# Altium PCB PCB.PcbDoc (part 3 of 3)
Units mm, origin at the board's own origin, x right, y up, seen from the top; angles counter-clockwise.
Board outline 100.74 x 35.37 mm, 4 copper layers (Top Layer, Mid Layer 1, Mid Layer 2, Bottom Layer), stack 0.999 mm thick; 266 components, 227 nets, 1140 pads, 295 vias.
Unrouted connection lines stored in the file: 229.
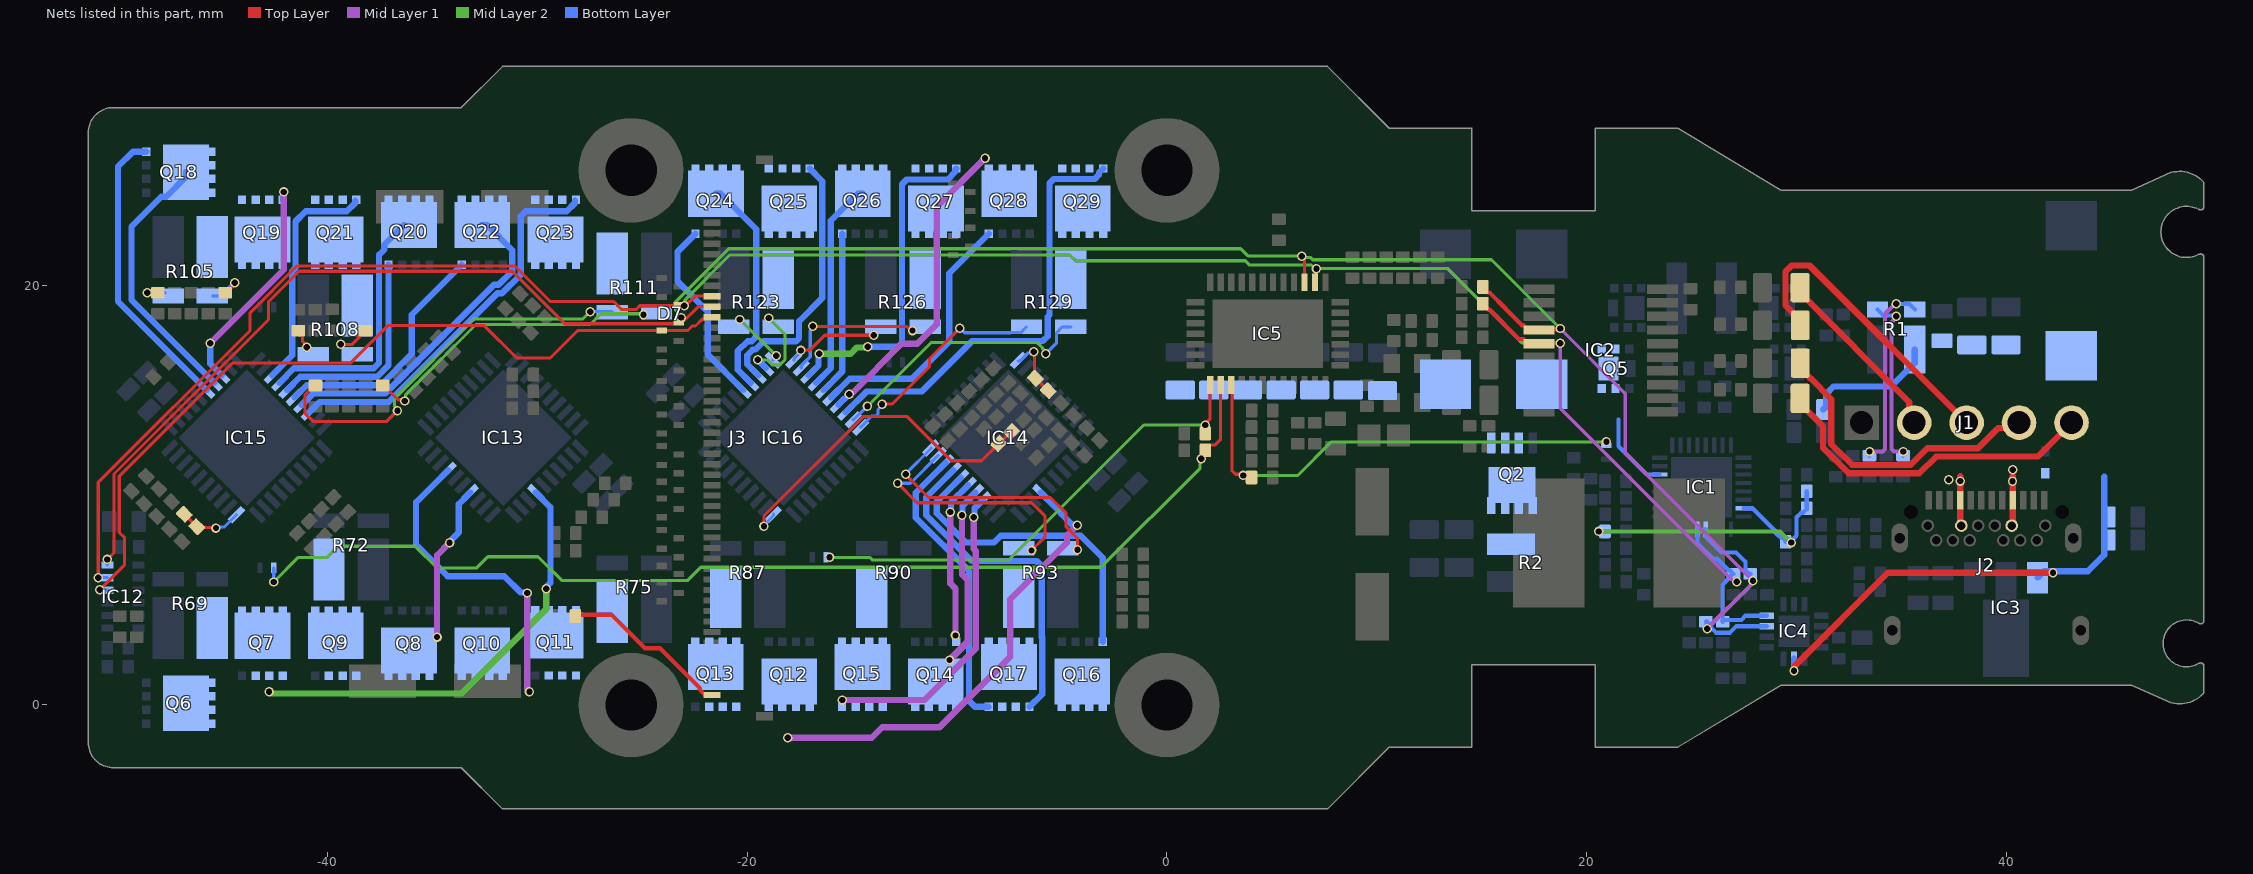
[diagram p5: the nets of this part, all layers, seen from the top]

## Via types
v1: diameter 0.45, hole 0.3, Top Layer to Bottom Layer, tented both sides, 295 vias

## Nets (pads, with @x,y where several pads share a name; then routed paths per layer and width w, separated by ;. In a path a pad name is that pad's centre, name@x,y a point inside that pad or via, vN(x,y) a via of type N, cw(c..) or ccw(c..) an arc to the next point about the centre after c; other vN are vias at no path point) (continued)
NetIC14_13: IC14.13 Q15.4 | length 14.7
  Mid Layer 1 w0.3: v1(-15.465,0.234) -11.558,0.234 -9.101,2.691 -9.101,7.336 -9.197,7.432 v1(-9.197,8.945)
  Bottom Layer w0.3: v1(-9.197,8.945) -9.168,8.974 -9.168,9.363 IC14.13@-8.767,9.764
NetIC14_15: IC14.15 Q14.4 | length 7.6
  Mid Layer 1 w0.3: v1(-10.319,9.188) -10.319,5.788 -10.076,5.545 v1(-10.076,3.311)
  Bottom Layer w0.3: v1(-10.319,9.188) -10.29,9.217 -10.29,9.655 IC14.15@-9.474,10.471
NetIC14_16: IC14.16 Q16.4 | length 15.2
  Bottom Layer w0.3: IC14.16@-9.828,10.825 -10.965,9.688 -10.965,9.127 -9.572,7.734 -8.242,7.734 -7.917,8.059 -5.99,8.059 -4.109,8.059 -3.055,7.005 Q16.4@-3.055,3.013
NetIC14_18: IC14.18 Q17.4 | length 14
  Bottom Layer w0.3: IC14.18@-10.535,11.532 -11.965,10.102 -11.965,8.922 -9.429,6.385 -9.429,0.198 -9.144,-0.087 Q17.4@-8.496,-0.087
NetIC14_19: IC14.19 R93.2 | length 12.1
  Top Layer w0.15: v1(-12.831,10.559) -11.904,9.632 -6.45,9.632 -5.802,8.983 -5.802,8.008 v1(-6.45,7.359)
  Bottom Layer w0.15: v1(-12.831,10.559) -12.215,10.559 IC14.19@-10.889,11.886
NetIC14_20: IC14.20 R93.3 | length 12.1
  Top Layer w0.15: v1(-12.444,10.984) -12.444,10.967 -11.358,9.882 -5.558,9.882 -4.802,9.125 -4.802,8.49 -4.265,7.953 v1(-4.265,7.396)
  Bottom Layer w0.15: v1(-12.444,10.984) -12.444,11.011 -11.242,12.213 IC14.20@-11.242,12.239
NetIC14_31: IC14.31 R80.1 R85.2 | length 3.1
  Top Layer w0.15: v1(-6.347,16.825) -6.302,16.781 -6.302,15.597 R80.1@-6.267,15.561 -6.249,15.561 R85.2@-5.656,14.969
  Bottom Layer w0.15: IC14.31@-7.092,16.386 -6.989,16.386 -6.607,16.768 -6.404,16.768 v1(-6.347,16.825)
NetIC15_6: IC15.6 Q18.4 | length 14
  Bottom Layer w0.3: Q18.4@-48.621,26.354 -49.24,26.354 -49.245,26.354 -49.965,25.634 -49.965,19.232 IC15.6@-45.73,14.997
NetIC15_8: IC15.8 Q19.4 | length 10.8
  Mid Layer 1 w0.3: v1(-45.565,17.234) -42.065,20.734 v1(-42.065,24.434)
  Bottom Layer w0.3: v1(-45.565,17.234) -45.565,16.246 IC15.8@-45.023,15.704 ; Q19.4@-42.106,24.064 -42.086,24.084 -42.086,24.414 v1(-42.065,24.434)
NetIC15_13: IC15.13 Q21.4 | length 11.1
  Bottom Layer w0.3: IC15.13@-42.619,15.704 -41.663,16.66 -41.663,20.654 -41.506,20.81 -41.506,23.028 -41.02,23.514 -39.063,23.514 -38.666,23.91 Q21.4@-38.666,24.014
NetIC15_15: IC15.15 Q20.4 | length 10.1
  Bottom Layer w0.3: IC15.15@-41.912,14.997 -41.274,15.634 -37.617,15.634 -37.076,16.176 Q20.4@-37.076,20.964
NetIC15_16: IC15.16 Q22.4 | length 11.7
  Bottom Layer w0.3: IC15.16@-41.558,14.643 -40.967,15.234 -37.452,15.234 -35.965,16.721 -35.965,18.585 Q22.4@-33.586,20.964
NetIC15_18: IC15.18 Q23.4 | length 18.5
  Bottom Layer w0.3: IC15.18@-40.851,13.936 -40.353,14.434 -37.06,14.434 -31.885,19.609 -31.672,19.609 -30.786,20.495 -30.786,21.433 -30.786,23.278 -30.545,23.519 -28.587,23.519 -28.196,23.91 Q23.4@-28.196,24.014
NetIC15_31: IC15.31 R98.1 R103.2 | length 3.1
  Top Layer w0.15: R98.1@-46.809,9.087 R103.2@-46.206,8.486 ; R103.2@-46.255,8.534 -46.172,8.451 -45.324,8.451 v1(-45.298,8.424)
  Bottom Layer w0.15: v1(-45.298,8.424) -45.241,8.482 -44.891,8.482 IC15.31@-44.316,9.057
NetIC16_6: IC16.6 Q24.4 | length 9.1
  Bottom Layer w0.3: Q24.4@-22.457,22.449 -23.315,21.592 -23.315,20.176 -21.871,18.732 -21.871,16.693 IC16.6@-20.174,14.997
NetIC16_8: IC16.8 Q25.4 | length 12.8
  Bottom Layer w0.3: IC16.8@-19.467,15.704 -19.993,16.23 -19.993,16.659 -19.724,16.928 -19.61,16.928 -19.21,17.328 -17.703,17.328 -17.67,17.328 -17.524,17.474 -17.524,18.276 -16.414,19.385 -16.414,24.949 Q25.4@-17.014,25.549
NetIC16_9: IC16.9 R123.2 | length 4.3
  Mid Layer 2 w0.15: v1(-19.493,16.437) -19.043,16.436 -18.808,16.201 -18.44,16.201 -18.191,16.45 -18.191,17.652 v1(-18.971,18.432)
  Bottom Layer w0.3: v1(-19.493,16.437) IC16.9@-19.114,16.058
NetIC16_10: IC16.10 R123.3 | length 2.7
  Mid Layer 2 w0.15: v1@-20.352,18.36 -18.618,16.626 v1(-18.616,16.626)
  Bottom Layer w0.15: IC16.10@-18.76,16.411 -18.76,16.482 v1(-18.616,16.626)
  other v1: -20.354,18.36
NetIC16_11: IC16.11 R126.3 | length 4.4
  Top Layer w0.15: v1(-17.439,16.884) -17.413,16.911 -16.989,16.911 -16.291,17.609 v1(-13.971,17.609)
  Bottom Layer w0.15: IC16.11@-17.77,16.411 -17.77,16.482 -17.439,16.813 v1(-17.439,16.884)
NetIC16_12: IC16.12 R126.2 | length 7
  Top Layer w0.15: v1(-16.865,18.034) -12.404,18.034 -12.202,17.832 v1(-12.121,17.832)
  Bottom Layer w0.15: IC16.12@-17.417,16.058 -17.417,16.164 -16.992,16.588 -16.992,17.826 -16.865,17.953 v1(-16.865,18.034)
NetIC16_13: IC16.13 Q27.4 | length 15.9
  Mid Layer 2 w0.3: v1(-16.565,16.734) -15.071,16.734 -14.777,17.028 -14.274,17.028 v1(-14.246,17.057)
  Bottom Layer w0.3: IC16.13@-17.063,15.704 -16.594,16.173 -16.594,16.706 v1(-16.565,16.734) ; v1@-14.233,17.057 -12.796,17.057 -12.621,17.233 -12.621,24.81 -12.407,25.023 -10.45,25.023 -10.078,25.395 -10.078,25.499 Q27.4@-10.028,25.549
NetIC16_15: IC16.15 Q26.4 | length 7.8
  Bottom Layer w0.3: IC16.15@-16.356,14.997 -15.471,15.882 Q26.4@-15.471,22.449
NetIC16_16: IC16.16 Q28.4 | length 12.7
  Bottom Layer w0.3: IC16.16@-16.002,14.643 -15.114,15.532 -12.146,15.532 -10.371,17.307 -10.371,20.563 Q28.4@-8.485,22.449
NetIC16_18: IC16.18 Q29.4 | length 21.3
  Bottom Layer w0.3: IC16.18@-15.295,13.936 -14.3,14.932 -11.675,14.932 -9.273,17.334 -5.912,17.334 -5.685,17.562 -5.685,18.494 -5.593,18.586 -5.593,24.851 -5.395,25.049 -3.438,25.049 -3.241,25.245 -3.241,25.349 Q29.4@-3.041,25.549
NetIC16_19: IC16.19 R129.2 | length 13
  Mid Layer 2 w0.15: v1(-14.265,14.234) -11.24,17.259 -6.18,17.259 -5.922,17.001 -5.922,16.964 -5.771,16.813 v1(-5.771,16.732)
  Bottom Layer w0.15: IC16.19@-14.942,13.583 -14.929,13.583 -14.278,14.234 v1(-14.265,14.234) ; v1(-5.771,16.732) -5.255,17.248 -5.255,17.734 -4.98,18.009 R129.2@-4.582,18.009
NetIC16_20: IC16.20 R129.3 | length 10.4
  Top Layer w0.15: v1(-13.569,14.33) -13.098,14.33 -11.31,16.117 -11.31,16.499 v1(-9.871,17.939)
  Bottom Layer w0.15: IC16.20@-14.588,13.229 -14.049,13.768 -13.855,13.768 -13.767,13.856 -13.767,14.05 -13.569,14.249 v1(-13.569,14.33) ; v1(-9.871,17.939) -9.84,17.939 -9.633,17.732 -7.449,17.732 -7.446,17.734 -6.963,17.734 R129.3@-6.688,18.009
NetIC16_31: IC16.31 R116.1 R121.2 | length 16.4
  Top Layer w0.15: v1(-19.196,8.515) -19.196,9.007 -14.471,13.732 -12.371,13.732 -10.271,11.632 -8.833,11.632 R116.1@-8.015,12.45 ; R116.1@-7.998,12.45 -7.432,13.017 R121.2@-7.415,13.017
  Bottom Layer w0.15: v1(-19.196,8.515) -19.196,8.568 -18.738,9.026 IC16.31@-18.738,9.083
NetJ1_2: J1.2 R30.2 | length 8.7
  Top Layer w0.3: R30.2@30.156,19.88 30.156,19.63 35.359,14.427 35.359,13.674 J1.2@35.584,13.449
NetJ1_3: J1.3 R29.2 | length 14.7
  Top Layer w0.3: R29.2@30.16,18.084 30.16,18.334 29.456,19.038 29.456,20.631 29.758,20.932 30.601,20.932 J1.3@38.084,13.449
NetJ1_4: J1.4 R25.2 | length 14.7
  Top Layer w0.3: R25.2@30.16,16.284 30.16,16.034 30.642,15.552 30.66,15.552 31.645,14.567 31.645,12.417 32.629,11.432 35.416,11.432 36.216,12.232 38.626,12.232 39.584,13.191 40.326,13.191 J1.4@40.584,13.449
NetJ1_5: J1.5 R24.2 | length 16.1
  Top Layer w0.3: R24.2@30.159,14.602 30.159,14.352 31.245,13.266 31.245,12.251 32.464,11.032 35.834,11.032 36.634,11.832 41.467,11.832 J1.5@43.084,13.449
NetJ3_50: J3.50 R58.1 | length 8.2
  Top Layer w0.2: R58.1@-28.173,4.237 -28.112,4.298 -26.465,4.298 -24.866,2.699 -24.143,2.699 -22.266,0.822 -22.266,0.739 -22.049,0.522 -21.716,0.522 J3.50@-21.666,0.472
NetQ2_5: Q2.5 Q2.6 Q2.7 Q2.8 Q2.9 R2.3
NetQ7_5: Q7.5 Q7.6 Q7.7 Q7.8 Q7.9 R69.4
NetQ9_5: Q9.5 Q9.6 Q9.7 Q9.8 Q9.9 R72.1
NetQ11_5: Q11.5 Q11.6 Q11.7 Q11.8 Q11.9 R75.1
NetQ13_5: Q13.5 Q13.6 Q13.7 Q13.8 Q13.9 R87.1
NetQ15_5: Q15.5 Q15.6 Q15.7 Q15.8 Q15.9 R90.1
NetQ17_5: Q17.5 Q17.6 Q17.7 Q17.8 Q17.9 R93.1
NetQ19_5: Q19.5 Q19.6 Q19.7 Q19.8 Q19.9 R105.1
NetQ21_5: Q21.5 Q21.6 Q21.7 Q21.8 Q21.9 R108.1
NetQ23_5: Q23.5 Q23.6 Q23.7 Q23.8 Q23.9 R111.4
NetQ25_5: Q25.5 Q25.6 Q25.7 Q25.8 Q25.9 R123.1
NetQ27_5: Q27.5 Q27.6 Q27.7 Q27.8 Q27.9 R126.1
NetQ29_5: Q29.5 Q29.6 Q29.7 Q29.8 Q29.9 R129.1
NetR1_1: R1.1 R3.2 | length 9.2
  Mid Layer 1 w0.2: v1(33.464,12.071) 34.088,12.071 34.205,12.188 34.205,18.632 34.677,19.104 v1(34.729,19.104)
  Bottom Layer w0.2: R3.2@33.459,11.874 33.459,12.066 v1(33.464,12.071) ; v1(34.729,19.104) 35.355,19.104 R1.1@35.622,18.837
NetR1_4: R1.4 R4.2 | length 8.3
  Mid Layer 1 w0.2: v1(34.729,18.52) 34.729,18.452 34.505,18.228 34.505,12.188 34.622,12.071 v1(35.064,12.071)
  Bottom Layer w0.2: R1.4@33.846,18.837 34.127,18.556 34.56,18.556 34.614,18.502 34.712,18.502 v1(34.729,18.52) ; R4.2@35.059,11.874 35.059,12.066 v1(35.064,12.071)
NetR104_2: R104.2 R105.2 | length 2
  Top Layer w0.15: R104.2@-44.86,19.637 -44.81,19.637 -44.403,20.044 v1(-44.403,20.106)
  Bottom Layer w0.15: R105.2@-45.468,19.479 -45.071,19.479 -44.444,20.106 v1(-44.403,20.106)
NetR105_3: R105.3 R106.2 | length 1.3
  Top Layer w0.15: v1(-48.565,19.634) -48.564,19.636 -48.061,19.636 R106.2@-48.06,19.637
  Bottom Layer w0.15: v1(-48.565,19.634) R105.3@-47.729,19.634
NetR107_2: R107.2 R108.2 | length 1.5
  Top Layer w0.15: v1(-39.351,17.174) -39.338,17.161 -38.826,17.161 -38.47,17.516 -38.47,17.581 -38.22,17.831 R107.2@-38.17,17.831
NetR108_3: R108.3 R109.2 | length 1
  Top Layer w0.15: R109.2@-41.37,17.831 -41.175,17.636 -41.175,17.326 -40.965,17.115 v1(-40.965,17.034)
NetR110_2: R110.2 R111.3 | length 19.1
  Top Layer w0.15: R110.2@-40.558,15.215 -40.608,15.215 -41.058,14.765 -41.058,13.899 -40.668,13.509 -37.16,13.509 v1(-36.652,14.017)
  Mid Layer 2 w0.15: v1(-36.652,14.017) -36.652,14.098 -36.8,14.245 -36.8,14.589 -33.007,18.381 -27.818,18.381 v1(-27.465,18.734)
  Bottom Layer w0.15: v1(-27.465,18.734) -26.443,18.734 R111.3@-26.418,18.709
NetR111_2: R111.2 R112.2 | length 14.6
  Top Layer w0.15: R112.2@-37.358,15.215 -37.308,15.215 -36.628,14.536 -36.366,14.536 v1(-36.309,14.478)
  Mid Layer 2 w0.15: v1(-36.309,14.478) -36.265,14.523 -36.265,14.77 -32.912,18.123 -27.476,18.123 -26.964,18.634 -24.977,18.634 v1(-24.933,18.59)
OUTAA: IC13.7 Q6.5 Q6.6 Q6.7 Q6.8 Q6.9 Q7.1 Q7.2 Q7.3 | length 20.8
  Mid Layer 2 w0.3: v1(-42.765,0.634) -42.725,0.634 -42.635,0.545 -33.59,0.545 -29.565,4.57 v1(-29.565,5.534)
  Bottom Layer w0.3: IC13.7@-30.065,10.118 -29.365,9.418 -29.365,5.827 -29.49,5.702 -29.49,5.65 -29.565,5.575 v1(-29.565,5.534)
OUTAB: IC13.14 Q8.5 Q8.6 Q8.7 Q8.8 Q8.9 Q9.1 Q9.2 Q9.3 | length 7.5
  Mid Layer 1 w0.3: v1(-34.765,3.234) -34.765,7.137 v1(-34.171,7.732)
  Bottom Layer w0.3: v1(-34.171,7.732) -34.171,7.772 -33.726,8.217 -33.726,9.568 IC13.14@-33.177,10.118
OUTAC: IC13.17 Q10.5 Q10.6 Q10.7 Q10.8 Q10.9 Q11.1 Q11.2 Q11.3 | length 15.2
  Mid Layer 1 w0.3: v1(-30.465,5.334) -30.465,0.775 -30.365,0.675 v1(-30.365,0.634)
  Bottom Layer w0.3: IC13.17@-34.237,11.179 -35.765,9.651 -35.765,7.634 -34.265,6.134 -31.565,6.134 -30.792,5.362 -30.492,5.362 v1(-30.465,5.334)
OUTBA: IC14.7 Q12.5 Q12.6 Q12.7 Q12.8 Q12.9 Q13.1 Q13.2 Q13.3 | length 22.2
  Mid Layer 1 w0.3: v1(-18.065,-1.566) -14.065,-1.566 -13.565,-1.066 -10.834,-1.066 -7.465,2.303 -7.465,5.034 -4.765,7.734 -4.765,8.065 v1(-4.271,8.559)
  Bottom Layer w0.3: IC14.7@-6.01,10.118 -5.037,9.146 -5.037,9.099 -4.526,8.588 -4.299,8.588 v1(-4.271,8.559)
OUTBB: IC14.14 Q14.5 Q14.6 Q14.7 Q14.8 Q14.9 Q15.1 Q15.2 Q15.3 | length 8.7
  Mid Layer 1 w0.3: v1(-10.357,2.143) -9.501,2.998 -9.501,5.955 -9.765,6.219 v1(-9.765,9.034)
  Bottom Layer w0.3: v1(-9.765,9.034) -9.736,9.063 -9.736,9.502 IC14.14@-9.121,10.118
OUTBC: IC14.17 Q16.5 Q16.6 Q16.7 Q16.8 Q16.9 Q17.1 Q17.2 Q17.3 | length 16.1
  Bottom Layer w0.3: IC14.17@-10.181,11.179 -11.465,9.895 -11.465,9.034 -9.29,6.859 -6.215,6.859 -5.958,6.602 -5.958,3.215 -5.946,3.204 -5.946,0.513 Q17.1@-6.546,-0.087
OUTCA: IC15.7 Q18.5 Q18.6 Q18.7 Q18.8 Q18.9 Q19.1 Q19.2 Q19.3 | length 12.9
  Bottom Layer w0.3: Q18.9@-46.721,25.379 -46.721,25.154 -47.671,24.204 -47.896,24.204 -49.321,22.779 -49.321,19.295 IC15.7@-45.377,15.35
OUTCB: IC15.14 Q20.5 Q20.6 Q20.7 Q20.8 Q20.9 Q21.1 Q21.2 Q21.3 | length 12.2
  Bottom Layer w0.3: IC15.14@-42.265,15.35 -41.582,16.034 -37.783,16.034 -37.526,16.291 -37.526,21.439 -37.276,21.689 -37.276,21.914 Q20.9@-36.326,22.864
OUTCC: IC15.17 Q22.5 Q22.6 Q22.7 Q22.8 Q22.9 Q23.1 Q23.2 Q23.3 | length 15.6
  Bottom Layer w0.3: IC15.17@-41.205,14.29 -40.66,14.834 -37.226,14.834 -32.051,20.009 -31.837,20.009 -31.186,20.66 -31.186,21.268 -31.186,21.664 -32.386,22.864 Q22.9@-32.611,22.864
OUTDA: IC16.7 Q24.5 Q24.6 Q24.7 Q24.8 Q24.9 Q25.1 Q25.2 Q25.3 | length 10.7
  Bottom Layer w0.3: Q24.9@-21.482,24.349 -21.257,24.349 -19.565,22.657 -19.565,17.539 -19.63,17.474 -19.776,17.328 -19.971,17.328 -20.437,16.863 -20.437,15.967 IC16.7@-19.821,15.35
OUTDB: IC16.14 Q26.5 Q26.6 Q26.7 Q26.8 Q26.9 Q27.1 Q27.2 Q27.3 | length 10
  Bottom Layer w0.3: IC16.14@-16.71,15.35 -16.014,16.046 -16.014,23.056 -14.721,24.349 Q26.9@-14.496,24.349
OUTDC: IC16.17 Q28.5 Q28.6 Q28.7 Q28.8 Q28.9 Q29.1 Q29.2 Q29.3 | length 15.1
  Mid Layer 1 w0.3: v1(-15.135,14.804) -15.094,14.804 -15.019,14.879 -14.974,14.879 -12.649,17.204 -11.899,17.204 -10.971,18.132 -10.971,23.729 v1(-8.665,26.034)
  Bottom Layer w0.3: IC16.17@-15.649,14.29 v1(-15.135,14.804)
SCL: D7.8 IC1.13 IC2.5 IC4.7 IC5.2 IC12.5 J3.12 R21.1 R27.1 R37.1 | length 112.5
  Top Layer w0.15: v1(-50.9,6.063) -50.9,10.605 -43.671,17.834 -43.671,18.683 -41.444,20.909 -40.793,20.909 -31.073,20.909 -29.378,19.215 -26.354,19.215 -25.971,18.832 -25.292,18.832 -25.109,19.015 -23.384,19.015 -23.365,19.034 -23.016,19.034 v1(-22.991,19.009) ; v1@-22.992,19.01 -22.936,19.01 -22.474,19.472 J3.12@-21.666,19.472 ; IC5.2@7.054,20.132 7.087,20.165 v1@7.087,20.748 ; IC2.5@17.744,17.232 v1(18.729,17.232)
  Top Layer w0.2: R27.1@15.041,19.116 15.041,19.066 15.276,18.831 15.371,18.831 16.768,17.434 16.984,17.434 17.209,17.209 IC2.5@17.722,17.209
  Mid Layer 1 w0.15: v1(18.729,17.232) 18.729,14.131 26.871,5.989 26.929,5.989 27.052,5.867 v1(27.133,5.867)
  Mid Layer 2 w0.15: v1(-22.991,19.009) -22.947,19.054 -22.947,19.301 -20.816,21.432 -4.624,21.432 -4.349,21.157 3.728,21.157 3.935,20.951 6.597,20.951 6.601,20.955 6.882,20.955 7.057,20.78 13.381,20.78 16.929,17.232 v1(18.729,17.232)
  Bottom Layer w0.15: v1(-50.9,6.063) IC12.5@-50.459,6.064
  Bottom Layer w0.2: IC1.13@25.264,8.371 25.264,7.696 25.995,6.965 26.197,6.965 26.745,6.417 26.805,6.417 R21.1@26.98,6.242 26.93,6.242 26.755,6.067 26.755,6.017 26.455,5.717 26.455,3.983 R37.1@26.469,3.968 26.554,4.053 27.359,4.053 27.559,4.253 IC4.7@28.564,4.253
  other v1: 7.12,20.78
SDA: D7.7 IC1.12 IC2.4 IC4.6 IC5.3 IC12.6 J3.13 R20.1 R28.1 R36.1 | length 116.9
  Top Layer w0.15: v1(-50.475,6.932) -50.471,6.932 -50.151,7.252 -50.151,11.001 -42.796,18.356 -42.796,19.202 -41.339,20.659 -31.176,20.659 -28.677,18.16 -23.339,18.16 D7.7@-23.265,18.234 ; D7.7@-23.412,18.26 -23.219,18.453 v1(-23.138,18.453) v1@-22.993,18.309 ; D7.7@-23.19,18.309 v1@-22.993,18.309 ; J3.13@-21.666,18.972 -22.33,18.972 v1@-22.993,18.309 ; v1(6.421,21.376) 6.421,21.295 6.554,21.161 IC5.3@6.554,20.132
  Top Layer w0.2: R28.1@15.043,19.911 15.043,19.861 15.263,19.641 15.366,19.641 16.134,18.873 16.134,18.852 16.901,18.084 16.984,18.084 17.209,17.859 IC2.4@17.722,17.859 17.758,17.896 18.693,17.896 v1(18.729,17.932)
  Mid Layer 1 w0.15: v1(18.729,17.932) 21.829,14.832 21.829,11.988 v1(27.907,5.91)
  Mid Layer 1 w0.2: v1(25.729,3.632) 27.786,5.689 27.786,5.721 27.907,5.842 v1(27.907,5.91)
  Mid Layer 2 w0.15: v1(-23.138,18.453) -23.138,18.532 -23.416,18.811 -23.416,19.185 -20.87,21.732 -7.461,21.732 -7.448,21.745 -7.096,21.745 -7.083,21.732 3.507,21.732 3.852,21.387 4.652,21.387 6.409,21.387 6.478,21.318 6.833,21.318 6.946,21.205 15.456,21.205 v1(18.729,17.932)
  Bottom Layer w0.15: v1(-50.475,6.932) -50.475,6.68 IC12.6@-50.459,6.664
  Bottom Layer w0.2: IC1.12@25.664,8.371 25.664,8.013 26.412,7.265 27.107,7.265 27.555,6.817 27.555,6.417 27.73,6.242 R20.1@27.78,6.242 ; v1(25.729,3.632) 25.699,3.662 25.699,3.938 R36.1@25.669,3.968 25.719,3.968 25.894,3.793 25.894,3.693 25.944,3.643 26.144,3.443 26.81,3.443 27.12,3.753 IC4.6@28.564,3.753
Temp1: IC5.22 IC11.1 R54.2 | length 22.9
  Top Layer w0.15: IC5.22@3.054,15.232 3.092,15.194 3.092,11.169 3.272,10.989 3.572,10.989 v1(3.629,10.932)
  Mid Layer 2 w0.15: v1(3.629,10.932) 6.229,10.932 7.829,12.532 v1(20.929,12.532)
  Bottom Layer w0.15: IC11.1@20.929,12.357 v1(20.929,12.532)
Temp2: IC5.21 IC9.1 R52.2 | length 52.8
  Top Layer w0.15: R52.2@1.832,12.127 1.832,12.177 2.032,12.377 2.274,12.377 2.554,12.657 IC5.21@2.554,15.232
  Mid Layer 2 w0.15: v1(-42.546,5.857) -41.371,7.032 -39.994,7.032 -39.466,7.559 -35.798,7.559 -34.771,6.532 -32.871,6.532 -32.343,7.059 -29.955,7.059 -28.827,5.932 -22.822,5.932 -22.197,6.557 -3.146,6.557 1.579,11.282 1.579,11.682 v1(1.629,11.732)
  Bottom Layer w0.15: v1(-42.546,5.857) IC9.1@-42.546,6.532
Temp3: IC5.20 IC10.1 R53.2 | length 22.8
  Top Layer w0.15: v1(1.829,13.332) 1.829,13.413 2.054,13.638 IC5.20@2.054,15.232
  Mid Layer 2 w0.15: v1(-16.071,7.032) -14.164,7.032 -14.041,6.909 -7.524,6.909 -1.101,13.332 v1(1.829,13.332)
  Bottom Layer w0.15: IC10.1@-16.246,7.032 v1(-16.071,7.032)
TOF_INT: D7.4 IC12.4 J3.14 | length 39
  Top Layer w0.15: v1(-50.837,5.492) -49.646,6.684 -49.646,7.957 -49.901,8.212 -49.901,10.897 -44.514,16.284 -38.902,16.284 -37.119,18.068 -32.513,18.068 -30.974,16.528 -29.375,16.528 -28.069,17.834 D7.4@-24.065,17.834 -22.825,17.834 -22.612,18.047 -22.455,18.047 -22.105,18.397 -21.741,18.397 J3.14@-21.666,18.472
  Bottom Layer w0.15: v1(-50.837,5.492) -50.823,5.478 -50.473,5.478 IC12.4@-50.459,5.464
VBUS: C1.2 C2.1 C3.2 C4.2 C47.2 C48.2 D5.1 IC3.3 IC4.2 J2.A4 J2.A9 J2.B4 J2.B9 R1.2 R7.2 | length 33.2
  Top Layer w0.3: v1(29.864,1.636) 29.893,1.664 29.893,1.857 34.336,6.3 v1(42.2,6.3) ; J2.B9@37.784,8.592 J2.A4@37.784,9.752 37.784,10.893 ; J2.B4@40.284,8.592 J2.A9@40.284,9.752 40.284,10.893
  Bottom Layer w0.3: v1(29.864,1.636) IC4.2@29.864,2.203 ; R7.2@31.264,14.071 31.387,14.193 31.387,14.793 31.764,15.171 34.501,15.171 35.622,16.292 R1.2@35.622,16.93 ; IC3.3@41.464,6.071 41.764,6.371 43.864,6.371 44.641,7.148 44.641,10.867
  other v1: 37.781,10.666 40.272,10.655 37.229,10.732 40.28,11.205
VDDA: C30.2 IC1.7 R8.2 R12.2 R14.2 | length 15.2
  Mid Layer 2 w0.2: v1(20.566,8.266) 29.202,8.266 v1(29.731,7.737)
  Bottom Layer w0.2: v1(20.566,8.266) R14.2@20.861,8.266 ; IC1.7@27.464,9.371 27.891,9.371 28.987,8.275 28.987,8.19 29.136,8.041 29.17,8.041 29.22,7.991 29.287,7.991 29.462,7.816 C30.2@29.462,7.766 ; v1(29.731,7.737) 29.731,7.804 29.987,8.061 29.987,8.941 30.197,9.151 30.293,9.151 30.468,9.326 R12.2@30.468,9.376 R8.2@30.468,10.176
VSYS: C5.1 C6.1 C7.2 C8.2 C9.2 C10.2 C11.2 C12.2 C13.2 IC1.22 Q2.1 Q2.2 Q2.3 Q5.1 Q5.2 Q5.5 Q5.6 Q5.7 | length 3.8
  Bottom Layer w0.2: 21.5,13.6 21.5,12.32 22.849,10.971 IC1.22@23.464,10.971
pads on no net: D14.1 IC1.9 IC1.10 IC1.15 IC2.1 IC2.2 IC2.11 IC5.5 J2.A2 J2.A3 J2.A8 J2.A10 J2.A11 J2.B2 J2.B3 J2.B8 J2.B10 J2.B11 J2.MH5 J2.MH6 J3.43 J3.44 J3.45 J3.46 J3.47 J3.51 J3.52 M1.1 M2.1 M3.1 M4.1 Y1.1

## Polygon pours and split planes (outlines as drawn)
NetC16_2 on Bottom Layer "L04_BMS_POW_VBUS" (solid, pour order 95): 29.3,14.8 30.4,14.8 30.5,14.9 30.5,15.4 30.879,15.779 34.379,15.779 34.5,15.9 34.5,18.026 34.425,18.101 31.101,18.101 30.3,17.3 29.3,17.3 29.2,17.2 29.2,14.9
VBUS on Bottom Layer "L04_BMS_POW_USB_VBUS" (solid, pour order 111): 37.464,8.433 37.689,8.208 38.001,8.208 38.164,8.371 38.164,8.871 38.345,9.052 39.801,9.052 39.892,8.961 39.892,8.41 40.095,8.208 40.385,8.208 40.641,8.464 40.641,8.859 41.634,9.852 44.02,9.852 46.434,12.266 46.434,15.652 44.134,17.952 39.384,17.952 36.184,17.952 36.184,18.102 36.009,18.277 34.909,18.277 34.784,18.152 34.784,15.577 34.909,15.452 43.934,15.452 45.034,14.352 45.034,12.952 43.592,11.51 37.693,11.51 37.464,11.282
VSYS on Bottom Layer "L04_BMS_POW_SYS" (solid, pour order 112): 16.875,11.882 17.069,12.076 17.069,12.887 17.539,13.357 21.561,13.357 22.27,14.066 22.27,16.571 22.034,16.807 12.564,16.807 11.664,15.907 0.389,15.907 -0.211,15.307 -0.211,13.057 0.964,11.882 16.064,11.882
NetC18_2 on Bottom Layer "L04_BMS_POW_COIL2" (solid, pour order 109): 25.444,21.215 25.625,21.396 27.863,21.396 29.244,20.015 29.244,17.315 29.164,17.235 29.164,15.821 28.008,14.665 28.008,12.609 27.414,12.015 26.768,12.015 26.768,12.747 27.118,12.747 27.118,15.75 25.444,17.423
BAT+_F on Bottom Layer "L04_BAT+_F" (solid, shelved, pour order 193): -50.189,-2.987 -33.63,-2.987 -31.668,-4.949 -31.664,-4.951 7.616,-4.951 7.621,-4.949 10.565,-2.005 14.49,-2.005 14.497,-1.998 14.497,1.923 20.376,1.923 20.376,-1.998 20.382,-2.005 24.31,-2.005 24.314,-2.004 29.222,0.941 45.913,0.941 47.805,0.1 47.81,0.1 ccw(c48.198,1.608) 49.346,0.557 49.351,0.571 49.351,1.918 49.35,1.921 ccw(c49.206,1.833) 49.127,1.981 49.121,1.981 cw(c48.539,2.933) 49.12,3.885 49.126,3.885 ccw(c49.208,4.032) 49.352,3.945 49.351,3.951 49.351,5.295 49.351,5.303 49.351,21.396 49.35,21.4 ccw(c49.207,21.313) 49.125,21.459 49.119,21.459 cw(c48.539,22.531) 49.118,23.602 49.123,23.601 ccw(c49.206,23.748) 49.349,23.659 49.351,23.663 49.351,24.902 49.347,24.908 ccw(c48.198,23.857) 47.809,25.364 47.806,25.364 45.913,24.523 29.222,24.523 24.314,27.467 24.31,27.469 20.382,27.469 20.376,27.462 20.376,23.541 14.497,23.541 14.497,27.462 14.49,27.469 10.565,27.469 7.621,30.413 7.616,30.415 -31.664,30.415 -31.668,30.413 -33.63,28.451 -50.191,28.451 -50.213,28.45 ccw(c-50.213,27.27) -51.393,27.27 -51.393,27.252 -51.391,-1.783 ccw(c-50.212,-1.806)
OUTCB on Bottom Layer "L04_MOSCB_OUT" (solid, pour order 181): -38.265,25.834 -39.184,25.834 -40.763,24.256 -40.763,23.598 -40.699,23.534 -34.777,23.534 -34.776,23.534 -34.775,23.535 -34.775,24.423 -35.686,25.334 -35.865,25.334
OUTDC on Bottom Layer "L04_MOSDC_OUT" (solid, pour order 192): -3.83,26.974 -3.365,26.508 -3.365,25.228 -3.482,25.112 -8.342,25.112 -8.833,25.22 -8.834,25.466 -7.611,26.689 -7.098,27.201
OUTDA on Bottom Layer "L04_MOSDA_OUT" (solid, pour order 187): -15.865,27.129 -17.365,25.629 -17.365,25.249 -17.592,25.022 -19.265,25.029 -22.573,25.042 -22.806,25.275 -22.806,26.888 -21.365,28.329 -17.965,28.329
OUTDB on Bottom Layer "L04_MOSDB_OUT" (solid, pour order 191): -10.365,27.378 -10.365,25.434 -10.771,25.029 -15.76,25.029 -15.765,25.034 -15.765,25.329 -13.365,27.729 -11.265,27.729
OUTBC on Bottom Layer "L04_MOSBC_OUT" (solid, pour order 185): -3.83,-1.511 -2.705,-0.386 -2.705,0.235 -4.766,0.235 -4.882,0.351 -7.982,0.351 -7.982,0.344 -8.197,0.129 -8.197,-0.639 -7.611,-1.226 -7.098,-1.738
OUTBB on Bottom Layer "L04_MOSBB_OUT" (solid, pour order 184): -9.33,-1.511 -9.33,-0.351 -10.122,0.441 -10.129,0.434 -14.894,0.434 -15.128,0.2 -15.128,-0.503 -13.365,-2.266 -11.265,-2.266
OUTBA on Bottom Layer "L04_MOSBA_OUT" (solid, pour order 183): -15.865,-1.666 -16.677,-0.854 -16.677,0.051 -18.882,0.051 -19.265,0.434 -21.919,0.424 -22.117,0.226 -22.117,-2.114 -21.365,-2.866 -17.965,-2.866
OUTCC on Bottom Layer "L04_MOSCC_OUT" (solid, pour order 182): -27.818,23.534 -27.465,23.887 -27.465,25.734 -27.565,25.834 -32.765,25.834 -32.765,25.543 -33.934,24.374 -33.934,23.888 -31.919,23.888 -31.465,23.434 -31.365,23.534 -27.865,23.534
OUTCA on Bottom Layer "L04_MOSCA_OUT" (solid, pour order 180): -45.621,26.704 -45.485,26.84 -41.89,26.84 -41.89,25.066 -41.667,24.843 -41.674,24.837 -41.674,23.796 -41.743,23.727 -41.85,23.727 -45.304,23.727 -46.165,24.588 -46.165,25.434
OUTAC on Bottom Layer "L04_MOSAC_OUT" (solid, pour order 179): -27.818,1.934 -27.465,1.581 -27.465,-0.266 -27.565,-0.366 -32.765,-0.366 -32.765,-0.074 -33.934,1.095 -33.934,1.581 -31.919,1.581 -31.465,2.034 -31.365,1.934 -27.865,1.934
OUTAB on Bottom Layer "L04_MOSAB_OUT" (solid, pour order 178): -38.265,-0.366 -38.75,-0.366 -40.216,1.1 -40.216,1.783 -40.065,1.934 -34.777,1.934 -34.776,1.935 -34.775,1.933 -34.775,1.045 -35.686,0.134 -35.865,0.134
OUTAA on Bottom Layer "L04_MOSAA_OUT" (solid, pour order 177): -45.621,-1.236 -45.485,-1.372 -41.89,-1.372 -41.89,0.402 -41.667,0.625 -41.674,0.632 -41.674,1.672 -41.797,1.795 -41.85,1.741 -45.304,1.741 -46.165,0.88 -46.165,0.034
NetQ25_5 on Bottom Layer "L04_MOSDA_RES" (solid, pour order 176): -18.809,19.628 -19.109,19.928 -19.109,22.058 -19.179,22.128 -19.314,22.263 -19.314,23.328 -16.668,23.328 -16.668,22.368 -17.909,21.128 -17.909,19.828 -18.109,19.628
NetQ27_5 on Bottom Layer "L04_MOSDB_RES" (solid, pour order 175): -11.823,19.628 -12.123,19.928 -12.123,22.058 -12.192,22.128 -12.327,22.263 -12.327,23.328 -9.682,23.328 -9.682,22.368 -10.923,21.128 -10.923,19.828 -11.123,19.628
NetQ29_5 on Bottom Layer "L04_MOSDC_RES" (solid, pour order 174): -4.836,19.628 -5.136,19.928 -5.136,22.058 -5.206,22.128 -5.341,22.263 -5.341,23.328 -2.696,23.328 -2.696,22.368 -3.936,21.128 -3.936,19.828 -4.136,19.628
NetQ17_5 on Bottom Layer "L04_MOSBC_RES" (solid, pour order 173): -6.701,5.834 -6.401,5.534 -6.401,3.334 -6.332,3.334 -6.197,3.199 -6.197,2.134 -8.842,2.134 -8.842,3.094 -7.601,4.334 -7.601,5.634 -7.401,5.834
NetQ15_5 on Bottom Layer "L04_MOSBB_RES" (solid, pour order 172): -13.683,5.834 -13.383,5.534 -13.383,3.334 -13.314,3.334 -13.179,3.199 -13.179,2.134 -15.824,2.134 -15.824,3.094 -14.583,4.334 -14.583,5.634 -14.383,5.834
NetQ13_5 on Bottom Layer "L04_MOSBA_RES" (solid, pour order 170): -20.665,5.834 -20.365,5.534 -20.365,3.334 -20.296,3.334 -20.161,3.199 -20.161,2.134 -22.806,2.134 -22.806,3.094 -21.565,4.334 -21.565,5.634 -21.365,5.834
NetQ11_5 on Bottom Layer "L04_MOSAC_RES" (solid, pour order 169): -25.667,5.898 -25.894,6.125 -27.474,6.125 -28.665,4.934 -30.266,4.934 -30.465,4.735 -30.465,2.234 -30.335,2.104 -26.325,2.104 -25.667,2.763
NetQ9_5 on Bottom Layer "L04_MOSAB_RES" (solid, pour order 165): -39.06,8.045 -40.605,8.045 -40.905,7.745 -40.905,4.445 -40.005,3.545 -38.365,3.545 -38.365,4.605 -38.805,5.045 -38.805,7.79
NetQ7_5 on Bottom Layer "L04_MOSAA_RES" (solid, pour order 166): -46.465,5.208 -46.26,5.413 -44.906,5.413 -44.302,4.809 -41.887,4.809 -41.567,4.49 -41.567,2.527 -41.887,2.207 -44.016,2.192 -46.144,2.207 -46.465,2.529
NetQ23_5 on Bottom Layer "L04_MOSCC_RES" (solid, pour order 164): -25.667,19.571 -25.894,19.344 -27.474,19.344 -28.665,20.534 -30.266,20.534 -30.465,20.733 -30.465,23.234 -30.335,23.364 -26.326,23.364 -25.667,22.706
NetQ21_5 on Bottom Layer "L04_MOSCB_RES" (solid, pour order 163): -39.41,17.434 -37.865,17.434 -37.565,17.734 -37.565,21.034 -38.465,21.934 -38.465,22.934 -40.265,22.934 -40.365,22.834 -40.365,21.134 -39.665,20.434 -39.665,17.69
NetQ19_5 on Bottom Layer "L04_MOSCA_RES" (solid, pour order 161): -46.465,20.255 -46.26,20.05 -44.906,20.05 -44.302,20.654 -41.886,20.654 -41.567,20.973 -41.567,22.936 -41.887,23.256 -44.016,23.271 -46.144,23.256 -46.465,22.934
OUTAA on Bottom Layer "OUTAA" (solid, pour order 103): -44.33,0.489 -40.83,0.489 -40.83,-3.011 -44.33,-3.011
OUTAB on Bottom Layer "OUTBA" (solid, pour order 101): -38.83,0.489 -35.33,0.489 -35.33,-3.011 -38.83,-3.011
OUTAC on Bottom Layer "OUTCA" (solid, pour order 107): -33.33,0.489 -29.83,0.489 -29.83,-5.261 -33.33,-5.261
OUTBA on Bottom Layer "OUTBA_L04_P098" (solid, pour order 98): -18.33,-1.511 -14.83,-1.511 -14.83,-5.011 -18.33,-5.011
OUTBB on Bottom Layer "OUTBB_L04_P099" (solid, pour order 99): -12.83,-1.511 -9.33,-1.511 -9.33,-5.011 -12.83,-5.011
OUTBC on Bottom Layer "NONET_L04_P030" (solid, pour order 100): -7.33,-1.511 -3.83,-1.511 -3.83,-5.011 -7.33,-5.011
OUTCB on Bottom Layer "OUTCB_L04_P102" (solid, pour order 102): -38.83,24.835 -35.33,24.835 -35.33,28.335 -38.83,28.335
OUTCA on Bottom Layer "OUTCA_L04_P104" (solid, pour order 104): -44.33,24.835 -40.83,24.835 -40.83,28.335 -44.33,28.335
OUTCC on Bottom Layer "OUTCC_L04_P108" (solid, pour order 108): -33.33,24.835 -29.83,24.835 -29.83,30.585 -33.33,30.585
OUTDB on Bottom Layer "NONET_L04_P037" (solid, pour order 130): -12.83,26.835 -9.33,26.835 -9.33,30.335 -12.83,30.335
OUTDA on Bottom Layer "NONET_L04_P038" (solid, pour order 131): -18.33,26.835 -14.83,26.835 -14.83,30.335 -18.33,30.335
OUTDC on Bottom Layer "NONET_L04_P036" (solid, pour order 136): -7.33,26.835 -3.83,26.835 -3.83,30.335 -7.33,30.335
no net on Bottom Layer "NONET_L04_P094" (solid, pour order 94): 49.363,20.156 cw(c48.56,22.531) 49.362,24.906 49.372,24.901 49.372,24.893 49.372,23.315 49.362,23.306 ccw(c48.56,22.531) 49.362,21.755 49.372,21.746
no net on Bottom Layer "NONET_L04_P093" (solid, pour order 93): 49.363,0.558 cw(c48.56,2.933) 49.362,5.308 49.372,5.303 49.372,5.295 49.372,3.717 49.362,3.709 ccw(c48.56,2.933) 49.362,2.157 49.372,2.149
NetC19_2 on Bottom Layer "L04_BMS_POW_COIL1" (solid, pour order 110): 25.444,21.215 25.263,21.396 23.025,21.396 21.644,20.015 21.644,17.315 21.715,17.244 21.715,12.444 22.944,11.215 23.844,11.215 23.844,11.515 23.169,11.515 22.844,11.839 22.844,12.815 23.844,13.815 23.844,15.915 25.444,17.515
NetQ2_5 on Bottom Layer "L04_BMS_POW_VSYS_SENS" (solid, pour order 96): 17.445,7.152 17.664,7.371 17.664,9.571 17.483,9.752 15.545,9.752 15.064,9.271 15.064,7.371 15.283,7.152
no net on Bottom Solder "OUTAA_L04_P035" (solid, pour order 133): -44.33,0.489 -40.83,0.489 -40.83,-3.011 -44.33,-3.011
no net on Bottom Solder "OUTBA_L04_P034" (solid, pour order 134): -38.83,0.489 -35.33,0.489 -35.33,-3.011 -38.83,-3.011
no net on Bottom Solder "OUTCA_L04_P033" (solid, pour order 137): -33.33,0.489 -29.83,0.489 -29.83,-5.261 -33.33,-5.261
no net on Bottom Solder "NONET_L04_P036" (solid): -7.33,26.835 -3.83,26.835 -3.83,30.335 -7.33,30.335
no net on Bottom Solder "NONET_L04_P038" (solid): -18.33,26.835 -14.83,26.835 -14.83,30.335 -18.33,30.335
no net on Bottom Solder "NONET_L04_P037" (solid): -12.83,26.835 -9.33,26.835 -9.33,30.335 -12.83,30.335
no net on Bottom Solder "NONET_L04_P042" (solid, pour order 128): -7.33,-1.511 -3.83,-1.511 -3.83,-5.011 -7.33,-5.011
no net on Bottom Solder "NONET_L04_P067" (solid, pour order 122): 49.363,20.156 cw(c48.56,22.531) 49.362,24.906 49.372,24.901 49.372,24.893 49.372,23.315 49.362,23.306 ccw(c48.56,22.531) 49.362,21.755 49.372,21.746
no net on Bottom Solder "NONET_L04_P067" (solid, pour order 123): 49.337,20.175 cw(c48.534,22.549) 49.336,24.925 49.347,24.92 49.347,24.912 49.347,23.334 49.336,23.325 ccw(c48.534,22.549) 49.336,21.774 49.347,21.765
no net on Bottom Solder "NONET_L01_P068" (solid, pour order 126): 49.337,20.175 cw(c48.534,22.549) 49.336,24.925 49.347,24.92 49.347,24.912 49.347,23.334 49.336,23.325 ccw(c48.534,22.549) 49.336,21.774 49.347,21.765
no net on Bottom Solder "NONET_L01_P068" (solid, pour order 125): 49.337,0.577 cw(c48.534,2.952) 49.336,5.327 49.347,5.322 49.347,5.314 49.347,3.736 49.336,3.727 ccw(c48.534,2.952) 49.336,2.176 49.347,2.168
no net on Bottom Solder "NONET_L04_P067" (solid, pour order 120): 49.337,0.577 cw(c48.534,2.952) 49.336,5.327 49.347,5.322 49.347,5.314 49.347,3.736 49.336,3.727 ccw(c48.534,2.952) 49.336,2.176 49.347,2.168
no net on Bottom Solder "NONET_L01_P068" (solid, pour order 124): 49.363,0.558 cw(c48.56,2.933) 49.362,5.308 49.372,5.303 49.372,5.295 49.372,3.717 49.362,3.709 ccw(c48.56,2.933) 49.362,2.157 49.372,2.149
no net on Bottom Solder "NONET_L04_P067" (solid, pour order 121): 49.363,0.558 cw(c48.56,2.933) 49.362,5.308 49.372,5.303 49.372,5.295 49.372,3.717 49.362,3.709 ccw(c48.56,2.933) 49.362,2.157 49.372,2.149
no net on Bottom Solder "NONET_L04_P039" (solid, pour order 138): -33.33,24.835 -29.83,24.835 -29.83,30.585 -33.33,30.585
no net on Bottom Solder "NONET_L04_P041" (solid, pour order 127): -44.33,24.835 -40.83,24.835 -40.83,28.335 -44.33,28.335
no net on Bottom Solder "NONET_L04_P040" (solid, pour order 129): -38.83,24.835 -35.33,24.835 -35.33,28.335 -38.83,28.335
no net on Bottom Solder "NONET_L04_P032" (solid, pour order 132): -18.33,-1.511 -14.83,-1.511 -14.83,-5.011 -18.33,-5.011
no net on Bottom Solder "NONET_L04_P031" (solid, pour order 135): -12.83,-1.511 -9.33,-1.511 -9.33,-5.011 -12.83,-5.011
VBUS on Top Layer "L01_BMS_POW_USB_VBUS" (solid, pour order 82): 37.606,9.283 37.642,9.247 37.942,9.247 37.967,9.272 37.967,10.197 38.142,10.372 38.142,10.979 38.089,11.032 37.202,11.032 37.029,10.86 37.029,10.771 37.606,10.194
BAT+_F on Top Layer "BAT+_F_L04" (solid, shelved, pour order 90): -50.168,-2.987 -33.609,-2.987 -31.647,-4.949 -31.642,-4.951 7.638,-4.951 7.643,-4.949 10.587,-2.005 14.512,-2.005 14.519,-1.998 14.519,1.923 20.397,1.923 20.397,-1.998 20.404,-2.005 24.332,-2.005 24.335,-2.004 29.244,0.941 45.934,0.941 47.826,0.1 47.832,0.1 ccw(c48.219,1.608) 49.368,0.557 49.372,0.571 49.372,1.918 49.371,1.921 ccw(c49.228,1.833) 49.149,1.981 49.142,1.981 cw(c48.56,2.933) 49.141,3.885 49.147,3.885 ccw(c49.23,4.032) 49.373,3.945 49.372,3.951 49.372,5.295 49.372,5.303 49.372,21.396 49.372,21.4 ccw(c49.228,21.313) 49.146,21.459 49.14,21.459 cw(c48.56,22.531) 49.14,23.602 49.145,23.601 ccw(c49.227,23.748) 49.37,23.659 49.372,23.663 49.372,24.902 49.368,24.908 ccw(c48.22,23.857) 47.831,25.364 47.827,25.364 45.934,24.523 29.244,24.523 24.335,27.467 24.332,27.469 20.404,27.469 20.397,27.462 20.397,23.541 14.519,23.541 14.519,27.462 14.512,27.469 10.587,27.469 7.643,30.413 7.638,30.415 -31.642,30.415 -31.647,30.413 -33.609,28.451 -50.169,28.451 -50.192,28.45 ccw(c-50.192,27.27) -51.371,27.27 -51.371,27.252 -51.37,-1.783 ccw(c-50.19,-1.806)
no net on Top Layer "BAT+_L01_P075" (solid, pour order 87): 20.453,23.58 20.453,27.505 24.378,27.505 29.278,24.555 29.278,23.58
no net on Top Layer "NONET_L01_P068" (solid, pour order 86): 49.363,20.156 cw(c48.56,22.531) 49.362,24.906 49.372,24.901 49.372,24.893 49.372,23.315 49.362,23.306 ccw(c48.56,22.531) 49.362,21.755 49.372,21.746
BAT+_F on Top Layer "BAT+_F_L01_IN" (solid, pour order 89): 18.655,1.93 18.659,1.934 18.659,11.027 18.334,11.352 7.134,11.352 3.084,7.302 3.084,1.302 3.584,0.802 14.509,0.802 14.509,1.927
BAT+ on Top Layer "L01_BAT+" (solid, pour order 88): 25.883,11.952 21.16,11.952 20.584,11.453 20.584,-1.998 24.334,-1.998 29.234,0.952 29.234,8.601
no net on Top Layer "NONET_L01_P085" (solid, pour order 85): 49.363,20.156 cw(c48.56,22.531) 49.362,24.906 49.372,24.901 49.372,24.893 49.372,23.315 49.362,23.306 ccw(c48.56,22.531) 49.362,21.755 49.372,21.746
no net on Top Layer "NONET_L01_P084" (solid, pour order 84): 49.363,0.558 cw(c48.56,2.933) 49.362,5.308 49.372,5.303 49.372,5.295 49.372,3.717 49.362,3.709 ccw(c48.56,2.933) 49.362,2.157 49.372,2.149
VBUS on Top Layer "L01_BMS_POW_USB_VBUS" (solid, pour order 83): 40.094,9.323 40.13,9.287 40.43,9.287 40.455,9.312 40.455,10.237 40.63,10.412 40.63,11.312 40.48,11.462 40.08,11.462 39.93,11.312 39.93,10.412 40.094,10.248
no net on Top Solder "BAT+_L01_P075" (solid, pour order 119): 20.453,23.58 20.453,27.505 24.378,27.505 29.278,24.555 29.278,23.58
BAT+ on Top Solder "BAT+_L01_P075" (solid, pour order 118): 20.46,1.876 20.46,-2.049 24.385,-2.049 29.285,0.901 29.285,1.876
no net on Top Solder "NONET_L01_P068" (solid, pour order 114): 49.363,20.156 cw(c48.56,22.531) 49.362,24.906 49.372,24.901 49.372,24.893 49.372,23.315 49.362,23.306 ccw(c48.56,22.531) 49.362,21.755 49.372,21.746
no net on Top Solder "NONET_L04_P067" (solid, pour order 116): 49.363,20.156 cw(c48.56,22.531) 49.362,24.906 49.372,24.901 49.372,24.893 49.372,23.315 49.362,23.306 ccw(c48.56,22.531) 49.362,21.755 49.372,21.746
no net on Top Solder "NONET_L04_P067" (solid, pour order 117): 49.363,0.558 cw(c48.56,2.933) 49.362,5.308 49.372,5.303 49.372,5.295 49.372,3.717 49.362,3.709 ccw(c48.56,2.933) 49.362,2.157 49.372,2.149
no net on Top Solder "NONET_L01_P068" (solid, pour order 115): 49.363,0.558 cw(c48.56,2.933) 49.362,5.308 49.372,5.303 49.372,5.295 49.372,3.717 49.362,3.709 ccw(c48.56,2.933) 49.362,2.157 49.372,2.149
GND on Mid Layer 1 "BAT+_F_L04" (solid, pour order 91): -50.168,-2.987 -33.609,-2.987 -31.647,-4.949 -31.642,-4.951 7.638,-4.951 7.643,-4.949 10.587,-2.005 14.512,-2.005 14.519,-1.998 14.519,1.923 20.397,1.923 20.397,-1.998 20.404,-2.005 24.332,-2.005 24.335,-2.004 29.244,0.941 45.934,0.941 47.826,0.1 47.832,0.1 ccw(c48.219,1.608) 49.368,0.557 49.372,0.571 49.372,1.918 49.371,1.921 ccw(c49.228,1.833) 49.149,1.981 49.142,1.981 cw(c48.56,2.933) 49.141,3.885 49.147,3.885 ccw(c49.23,4.032) 49.373,3.945 49.372,3.951 49.372,5.295 49.372,5.303 49.372,21.396 49.372,21.4 ccw(c49.228,21.313) 49.146,21.459 49.14,21.459 cw(c48.56,22.531) 49.14,23.602 49.145,23.601 ccw(c49.227,23.748) 49.37,23.659 49.372,23.663 49.372,24.902 49.368,24.908 ccw(c48.22,23.857) 47.831,25.364 47.827,25.364 45.934,24.523 29.244,24.523 24.335,27.467 24.332,27.469 20.404,27.469 20.397,27.462 20.397,23.541 14.519,23.541 14.519,27.462 14.512,27.469 10.587,27.469 7.643,30.413 7.638,30.415 -31.642,30.415 -31.647,30.413 -33.609,28.451 -50.169,28.451 -50.192,28.45 ccw(c-50.192,27.27) -51.371,27.27 -51.371,27.252 -51.37,-1.783 ccw(c-50.19,-1.806)
GND on Mid Layer 2 "BAT+_F_L04" (solid, pour order 92): -50.168,-2.987 -33.609,-2.987 -31.647,-4.949 -31.642,-4.951 7.638,-4.951 7.643,-4.949 10.587,-2.005 14.512,-2.005 14.519,-1.998 14.519,1.923 20.397,1.923 20.397,-1.998 20.404,-2.005 24.332,-2.005 24.335,-2.004 29.244,0.941 45.934,0.941 47.826,0.1 47.832,0.1 ccw(c48.219,1.608) 49.368,0.557 49.372,0.571 49.372,1.918 49.371,1.921 ccw(c49.228,1.833) 49.149,1.981 49.142,1.981 cw(c48.56,2.933) 49.141,3.885 49.147,3.885 ccw(c49.23,4.032) 49.373,3.945 49.372,3.951 49.372,5.295 49.372,5.303 49.372,21.396 49.372,21.4 ccw(c49.228,21.313) 49.146,21.459 49.14,21.459 cw(c48.56,22.531) 49.14,23.602 49.145,23.601 ccw(c49.227,23.748) 49.37,23.659 49.372,23.663 49.372,24.902 49.368,24.908 ccw(c48.22,23.857) 47.831,25.364 47.827,25.364 45.934,24.523 29.244,24.523 24.335,27.467 24.332,27.469 20.404,27.469 20.397,27.462 20.397,23.541 14.519,23.541 14.519,27.462 14.512,27.469 10.587,27.469 7.643,30.413 7.638,30.415 -31.642,30.415 -31.647,30.413 -33.609,28.451 -50.169,28.451 -50.192,28.45 ccw(c-50.192,27.27) -51.371,27.27 -51.371,27.252 -51.37,-1.783 ccw(c-50.19,-1.806)

## Keep-outs
Keep-Out Layer:
  circle w0.001: c0,0 r1.225
  circle w0.001: c-25.521,-0.001 r1.225
  circle w0.001: c0,25.464 r1.225
  circle w0.001: c-25.521,25.464 r1.225
  lines w0.001: 47.829,0.106 45.936,0.948 29.242,0.948 24.332,-1.998 20.404,-1.998 20.404,1.93 14.512,1.93 14.512,-1.998 10.584,-1.998 7.638,-4.944 -31.642,-4.944 -33.606,-2.98 -50.168,-2.98 cw(c-50.19,-1.806) -51.364,-1.783 -51.366,27.252 -51.366,27.27 cw(c-50.192,27.27) -50.192,28.444 -50.169,28.444 -33.606,28.444 -31.642,30.408 7.638,30.408 10.584,27.462 14.512,27.462 14.512,23.534 20.404,23.534 20.404,27.462 24.332,27.462 29.242,24.516 45.936,24.516 47.83,25.358 ; 47.829,0.106 ccw(c48.219,1.608) 49.365,0.563 49.366,1.918 ccw(c49.227,1.833) 49.146,1.975 cw(c48.56,2.932) 49.145,3.89 ; 47.83,25.359 cw(c48.22,23.857) 49.366,24.902 ; 49.143,23.608 ccw(c48.56,22.531) 49.143,21.453 cw(c49.227,21.314) 49.366,21.399 49.367,3.945 cw(c49.228,4.03) 49.144,3.89 ; 49.143,23.609 ccw(c49.227,23.748) 49.366,23.663 49.367,24.902

## Silkscreen, mask and mechanical layers (free items; w line width, h text height)
Drill Drawing:
  drawing of 203 lines, arcs and shapes, not listed